# Altium PCB uTCA_MCH_PCB3.pcbdoc (part 18 of 25)
Units mil, origin at the board's own origin, x right, y up, seen from the top; angles counter-clockwise.
Board outline 7110.66 x 2894.12 mil, 12 copper layers (Top Layer, GND1, MidLayer1, PWR1, MidLayer2, GND2, PWR2, MidLayer3, GND3, MidLayer4, PWR3, Bottom Layer), stack 63.15 mil thick; 767 components, 905 nets, 4553 pads, 2832 vias.
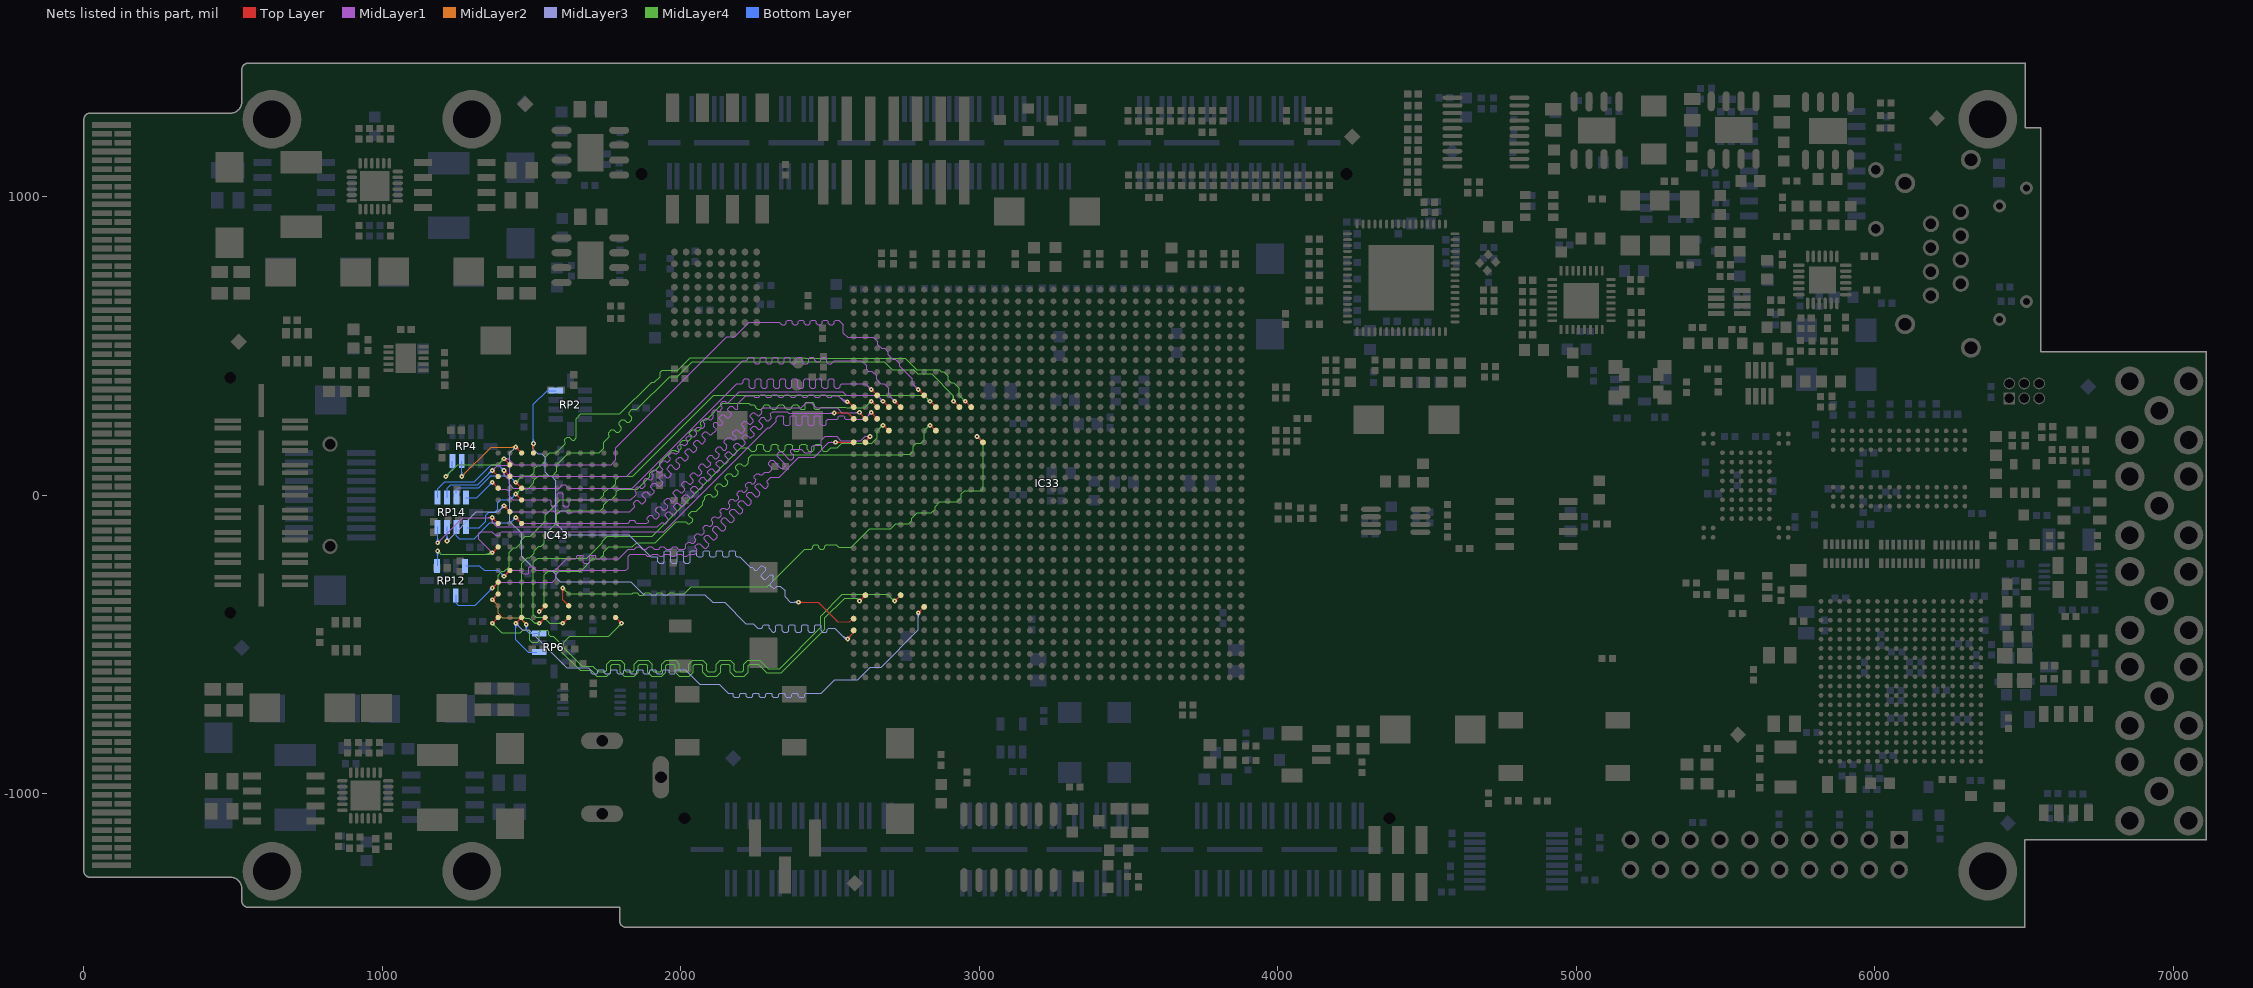
[diagram p28: the nets of this part, all layers, seen from the top]

## Via types
v1: diameter 15.75, hole 5.91, Top Layer to Bottom Layer, tented both sides, 2480 vias
v2: diameter 23.62, hole 11.81, Top Layer to Bottom Layer, tented both sides, 325 vias
v3: diameter 20, hole 10, Top Layer to Bottom Layer, tented both sides, 16 vias
v4: diameter 15.75, hole 7.87, Top Layer to Bottom Layer, tented both sides, 9 vias
v5: diameter 23.62, hole 11.81, Top Layer to Bottom Layer, 1 vias
v6: diameter 15.75, hole 5.91, Top Layer to Bottom Layer, 1 vias

## Nets (pads, with @x,y where several pads share a name; then routed paths per layer and width w, separated by ;. In a path a pad name is that pad's centre, name@x,y a point inside that pad or via, vN(x,y) a via of type N, cw(c..) or ccw(c..) an arc to the next point about the centre after c; other vN are vias at no path point) (continued)
Q2_A16: IC33.AP29 IC43.R8 RP2.10 | length 2248.1
  Top Layer w3.94: v1@1501.73,169.05 cw(c1491.65,158.97) 1505.91,158.97 cw(c1520.16,158.97) v1@1510.08,169.05 ; IC43.R8@1505.91,141.73 v1(1505.91,173.23) ; v1(2393.7,-358.27) 2460.63,-358.27 2525.59,-423.23 2564.96,-423.23 IC33.AP29@2576.77,-411.42 ; v1@2397.88,-362.44 cw(c2407.96,-372.52) 2407.96,-358.27 cw(c2407.96,-344.01) v1@2397.88,-354.09
  MidLayer3 w3.94: v1@1501.73,169.05 cw(c1491.65,158.97) 1505.91,158.97 cw(c1520.16,158.97) v1@1510.08,169.05 ; v1(1505.91,173.23) 1505.91,153.54 1519.68,139.76 1533.46,139.76 1545.28,127.95 1545.28,76.77 1559.06,62.99 1566.93,62.99 1580.71,49.21 1580.71,-94.49 1618.11,-131.89 1824.8,-131.89 1899.61,-206.69 1918.9,-206.69 1923.23,-211.02 1923.23,-223.54 1927.56,-227.87 1940.55,-227.87 1944.88,-223.54 1944.88,-189.84 1949.21,-185.51 1962.21,-185.51 1966.54,-189.84 1966.54,-223.54 1970.87,-227.87 1983.86,-227.87 1988.19,-223.54 1988.19,-189.84 1992.52,-185.51 2005.51,-185.51 2009.84,-189.84 2009.84,-223.54 2014.17,-227.87 2027.17,-227.87 2031.5,-223.54 2031.5,-189.84 2035.83,-185.51 2048.82,-185.51 2053.15,-189.84 2053.15,-202.36 2057.48,-206.69 2070.47,-206.69 2074.8,-202.36 2074.8,-189.84 2079.13,-185.51 2092.13,-185.51 2096.46,-189.84 2096.46,-202.36 2100.79,-206.69 2113.78,-206.69 2118.11,-202.36 2118.11,-189.84 2122.44,-185.51 2135.43,-185.51 2139.76,-189.84 2139.76,-202.36 2144.09,-206.69 2157.09,-206.69 2161.42,-202.36 2161.42,-189.84 2165.75,-185.51 2178.74,-185.51 2183.07,-189.84 2183.07,-202.36 2187.4,-206.69 2197.83,-206.69 2232.74,-241.6 2238.59,-241.6 2247.78,-250.79 2253.91,-250.79 2256.78,-247.92 2268.69,-236 2274.82,-236 2284,-245.19 2284,-251.31 2269.22,-266.1 2269.22,-272.22 2278.4,-281.41 2284.53,-281.41 2287.4,-278.54 2299.31,-266.62 2305.44,-266.62 2310.08,-271.27 2310.08,-286.48 2302.71,-293.85 2299.84,-296.72 2299.84,-302.85 2309.03,-312.03 2315.15,-312.03 2322.42,-304.76 2333.66,-304.76 2349.41,-320.51 2349.41,-340.55 2367.13,-358.27 v1(2393.7,-358.27) ; v1@2389.52,-362.44 ccw(c2379.44,-372.52) 2379.44,-358.27 ccw(c2379.44,-344.01) v1@2389.52,-354.09
  Bottom Layer w3.94: v1@1501.73,177.4 ccw(c1491.65,187.49) 1505.91,187.49 ccw(c1520.16,187.49) v1@1510.08,177.4 ; v1@1505.91,169.29 v1(1505.91,173.23) 1505.91,304.18 1552.12,350.39 RP2.10@1580.71,350.39
Q2_A17: IC33.AP30 IC43.R9 RP4.4 | length 2326.5
  Top Layer w3.94: v1@1446.85,155.51 cw(c1446.85,141.26) 1456.93,151.34 cw(c1467.01,161.42) v1@1452.76,161.42 ; v1(1446.85,161.42) IC43.R9@1466.54,141.73 ; v1@2558.94,-479.44 2578.74,-459.65 IC33.AP30@2578.74,-452.76 ; v1@2558.94,-475.39 ccw(c2558.94,-465.62) 2565.85,-472.53 ; v1@2560.91,-481.3 cw(c2570.15,-481.3) 2563.62,-474.77 ; v1@2564.85,-481.3 cw(c2583.59,-481.3) 2570.34,-468.05
  MidLayer2 w3.94: v1(1265.75,62.99) 1364.17,161.42 v1(1446.85,161.42) ; v1@1265.75,68.9 ccw(c1265.75,83.14) 1275.82,73.07 ; v1@1271.65,62.99 cw(c1285.92,62.99) 1275.83,73.08 ; v1@1442.67,157.24 ccw(c1432.59,147.16) 1432.59,161.42 ccw(c1432.59,175.68) v1@1442.67,165.6
  MidLayer3 w3.94: v1@1440.94,161.42 cw(c1426.69,161.42) 1436.77,151.34 cw(c1446.85,141.26) v1@1446.85,155.51 ; v1(1446.85,161.42) 1427.17,141.74 1427.17,-88.58 1466.54,-127.95 1466.54,-204.72 1513.78,-251.97 1567.8,-251.97 1582.68,-266.85 1582.68,-275.59 1596.46,-289.37 1832.68,-289.37 1875.98,-332.68 2079.72,-332.68 2106.3,-359.25 2146.65,-359.25 2217.52,-430.12 2243.11,-430.12 2257.87,-444.88 2270.28,-444.88 2274.61,-440.55 2274.61,-437.4 2278.94,-433.07 2291.93,-433.07 2296.26,-437.4 2296.26,-446.22 2308.23,-458.19 2313.58,-458.19 2317.91,-453.86 2317.91,-437.4 2322.24,-433.07 2335.24,-433.07 2339.57,-437.4 2339.57,-453.86 2343.9,-458.19 2356.89,-458.19 2361.22,-453.86 2361.22,-437.4 2365.55,-433.07 2378.54,-433.07 2382.87,-437.4 2382.87,-453.86 2387.2,-458.19 2400.2,-458.19 2404.53,-453.86 2404.53,-437.4 2408.86,-433.07 2421.85,-433.07 2426.18,-437.4 2426.18,-453.86 2430.51,-458.19 2443.5,-458.19 2447.83,-453.86 2447.83,-437.4 2452.17,-433.07 2465.16,-433.07 2469.49,-437.4 2469.49,-453.86 2473.82,-458.19 2486.81,-458.19 2491.14,-453.86 2491.14,-449.21 2495.47,-444.88 2514.76,-444.88 2551.18,-481.3 v1(2558.94,-481.3) v1@2559.06,-481.3 ; 2535.61,-465.73 ccw(c2558.94,-442.39) v1@2558.94,-475.39 ; 2542.33,-472.45 ccw(c2558.94,-455.84) v1@2558.94,-479.33 ; 2549.05,-479.17 ccw(c2558.94,-469.28) v1@2558.94,-483.27
  Bottom Layer w3.94: v1@1261.57,67.17 ccw(c1251.49,77.25) 1265.75,77.25 ccw(c1280,77.25) v1@1269.92,67.17 ; v1(1265.75,62.99) RP4.4@1265.75,114.17
Q2_A18: IC33.AH28 IC43.A9 RP6.3 | length 2157.4
  Top Layer w3.94: v1(1446.85,-429.13) IC43.A9@1466.54,-409.45 ; v1@1446.85,-423.23 ccw(c1446.85,-408.97) 1456.93,-419.05 ccw(c1467.01,-429.13) v1@1452.76,-429.13 ; v1(2795.27,-393.7) IC33.AH28@2814.96,-374.02 ; v1@2795.27,-387.8 ccw(c2795.27,-373.54) 2805.36,-383.62 ccw(c2815.44,-393.7) v1@2801.18,-393.7
  MidLayer3 w3.94: v1@1446.85,-435.04 cw(c1446.85,-449.3) 1456.93,-439.22 cw(c1467.01,-429.13) v1@1452.76,-429.13 ; v1(1446.85,-429.13) 1468.11,-450.39 1490.75,-450.39 1618.11,-577.76 1690.17,-577.76 1700.4,-587.99 1700.4,-595.09 1703.65,-598.34 1718.81,-598.34 1722.06,-595.09 1722.06,-588.28 1725.3,-585.03 1740.46,-585.03 1743.71,-588.28 1743.71,-595.09 1746.96,-598.34 1762.11,-598.34 1765.36,-595.09 1765.36,-588.28 1768.61,-585.03 1783.77,-585.03 1787.02,-588.28 1787.02,-595.09 1790.26,-598.34 1805.42,-598.34 1808.67,-595.09 1808.67,-588.28 1811.92,-585.03 1827.07,-585.03 1830.32,-588.28 1830.32,-595.09 1833.57,-598.34 1848.73,-598.34 1851.98,-595.09 1851.98,-588.28 1855.22,-585.03 1870.38,-585.03 1873.63,-588.28 1873.63,-595.09 1876.88,-598.34 1892.04,-598.34 1895.28,-595.09 1895.28,-588.28 1898.53,-585.03 1913.69,-585.03 1916.94,-588.28 1916.94,-595.09 1920.18,-598.34 1935.34,-598.34 1938.59,-595.09 1938.59,-588.28 1941.84,-585.03 1957,-585.03 1960.24,-588.28 1960.24,-595.09 1963.49,-598.34 1978.65,-598.34 1981.9,-595.09 1981.9,-588.28 1985.15,-585.03 2015.15,-585.03 2062.99,-632.87 2128.94,-632.87 2159.45,-663.39 2172.93,-663.39 2176.18,-666.63 2176.18,-673.44 2179.43,-676.69 2194.59,-676.69 2197.84,-673.44 2197.84,-666.63 2201.08,-663.39 2216.24,-663.39 2219.49,-666.63 2219.49,-673.44 2222.74,-676.69 2237.89,-676.69 2241.14,-673.44 2241.14,-666.63 2244.39,-663.39 2259.55,-663.39 2262.8,-666.63 2262.8,-673.44 2266.04,-676.69 2281.2,-676.69 2284.45,-673.44 2284.45,-666.63 2287.7,-663.39 2302.85,-663.39 2306.1,-666.63 2306.1,-673.44 2309.35,-676.69 2324.51,-676.69 2327.76,-673.44 2327.76,-666.63 2331,-663.39 2346.16,-663.39 2349.41,-666.63 2349.41,-673.44 2352.66,-676.69 2367.82,-676.69 2371.06,-673.44 2371.06,-666.63 2374.31,-663.39 2389.47,-663.39 2392.72,-666.63 2392.72,-673.44 2395.96,-676.69 2411.12,-676.69 2414.37,-673.44 2414.37,-666.63 2417.62,-663.39 2470.47,-663.39 2515.75,-618.11 2591.18,-618.11 ; 2581.81,-618.03 2592.22,-618.03 2634.46,-575.79 2670.65,-575.79 2795.28,-451.17 2795.28,-427.17 ; v1@2791.1,-397.88 cw(c2781.02,-407.96) 2795.27,-407.96 cw(c2809.53,-407.96) v1@2799.45,-397.88 ; 2795.27,-427.16 v1(2795.27,-393.7)
  Bottom Layer w3.94: v1@1442.67,-433.31 cw(c1432.59,-443.39) 1446.85,-443.39 cw(c1461.11,-443.39) v1@1451.03,-433.31 ; v1(1446.85,-429.13) 1446.85,-483.86 1488.19,-525.2 RP6.3@1517.32,-525.2
Q2_BWS0: IC33.AG13 IC43.B7 | length 1998
  Top Layer w3.94: v1(1525.59,-389.76) IC43.B7@1545.28,-370.08 ; v1@1525.59,-383.86 ccw(c1525.59,-369.6) 1535.67,-379.68 ccw(c1545.75,-389.76) v1@1531.5,-389.76 ; v1@2834.64,228.35 cw(c2834.64,209.32) IC33.AG13@2848.09,222.77 ; v1@2834.64,232.28 cw(c2834.64,222.76) 2841.37,229.49 ; v1@2834.65,236.22 2835.63,235.24 IC33.AG13@2854.33,216.54 ; v1@2840.55,234.25 ccw(c2850.04,234.25) 2843.33,227.54
  MidLayer4 w3.94: v1@1525.59,-391.73 1526.57,-390.75 1542.5,-374.82 1542.5,-266.56 1555.06,-254 1665,-254 1705.53,-213.47 1727.53,-213.47 1742,-199 1742,-188.81 1757.81,-173 1837.83,-173 1851.38,-159.45 1913.39,-159.45 1984.25,-88.58 2016.73,-88.58 2023.62,-95.47 2030.51,-95.47 2039.37,-86.61 2039.37,-80.92 2026.8,-68.35 2026.8,-63.76 2036.42,-54.13 2051.18,-54.13 2072.83,-32.48 2072.83,-21.65 2080.71,-13.78 ; v1@1525.59,-387.8 ccw(c1525.59,-378.29) 1532.31,-385.01 ; v1@1525.59,-383.86 ccw(c1525.59,-364.85) 1539.03,-378.29 ; v1@1531.5,-389.76 cw(c1541,-389.76) 1534.28,-383.04 ; 2080.62,-13.6 2080.62,-5.03 2089.19,3.53 2097.76,3.53 2101.83,-0.54 2105.89,-4.61 2114.46,-4.61 2123.03,3.96 2123.03,12.53 2118.96,16.59 2114.89,20.66 2114.89,29.23 2123.45,37.8 2132.02,37.8 2136.09,33.73 2140.16,29.66 2148.72,29.66 2157.29,38.22 2157.29,46.79 2153.22,50.86 2149.15,54.93 2149.15,63.49 2157.72,72.06 2166.28,72.06 2170.35,67.99 2174.42,63.92 2182.99,63.92 2191.55,72.49 2191.55,81.05 2187.49,85.12 2183.42,89.19 2183.42,97.76 2191.98,106.32 2200.55,106.32 2204.62,102.25 2208.69,98.19 2217.25,98.19 2225.82,106.75 2225.82,115.32 2225.82,123.46 2237.38,135.02 2743.29,135.02 2746.06,137.8 2767.72,137.8 2778.36,148.44 2778.36,164.49 2788.27,174.39 2804.31,174.39 2814.96,185.04 2814.96,216.54 2833.66,235.23 v1@2834.64,236.22 ; 2821.2,222.78 cw(c2834.64,209.34) v1@2834.64,228.35 ; 2825.95,227.53 ccw(c2819.22,234.25) v1@2828.73,234.25 ; 2827.92,229.5 cw(c2834.64,222.78) v1@2834.64,232.28
  other v1: 2834.64,234.25
Q2_BWS1: IC33.AM11 IC43.A7 | length 2011
  Top Layer w3.94: v1(1525.59,-429.13) IC43.A7@1545.28,-409.45 ; v1@1525.59,-423.23 ccw(c1525.59,-408.97) 1535.67,-419.05 ccw(c1545.75,-429.13) v1@1531.5,-429.13 ; v1@2637.8,309.06 cw(c2637.8,294.8) 2647.88,304.88 cw(c2657.96,314.96) v1@2643.7,314.96 ; v1(2637.8,314.96) IC33.AM11@2657.48,295.28
  MidLayer4 w3.94: 1503.13,-422.42 1509.84,-429.13 v1(1525.59,-429.13) ; 1503.13,-422.13 1492.42,-411.42 1478.35,-411.42 1466.54,-399.61 1466.54,-228.06 1484.77,-209.82 1493.22,-209.82 1508.68,-194.37 1508.68,-185.91 1524.14,-170.45 1532.59,-170.45 1542.5,-160.55 1542.5,-134.67 1584.65,-92.52 1584.65,-62.99 1595.3,-52.34 1729.45,-52.34 1742.13,-39.66 1742.13,-31.2 1759.55,-13.78 1768.01,-13.78 1784.27,2.48 1784.27,10.94 1794.18,20.85 1853.52,20.85 1895.08,62.4 1895.08,64.97 1895.08,73.53 1903.64,82.1 1912.21,82.1 1929.13,99.03 1929.13,108.27 1971.49,150.63 1980.74,150.63 1983.12,148.25 ; v1@1521.41,-433.31 ccw(c1511.33,-443.39) 1511.33,-429.13 ccw(c1511.33,-414.88) v1@1521.41,-424.96 ; 1983.31,148.06 1991.87,148.06 2000.44,156.63 2000.44,165.19 1997.94,167.69 ; 1997.87,167.76 1997.87,176.33 2006.43,184.89 2015,184.89 2017.5,182.39 ; 2017.57,182.32 2026.14,182.32 2034.7,190.89 2034.7,199.46 2027.82,206.34 2027.82,209.37 2037.57,219.12 ; 2037.61,219.12 2037.66,219.17 2049.25,219.17 2051.83,216.59 2060.4,216.59 2068.97,225.15 2068.97,233.72 ; 2068.95,233.74 2066.4,236.29 2066.4,244.85 2074.96,253.42 2083.53,253.42 2086.1,253.42 2140.67,307.99 2227.74,307.99 2232.66,303.07 ; 2232.74,303.15 2244.85,303.15 2250.91,297.09 2250.91,293.46 2256.97,287.4 2269.08,287.4 2275.14,293.46 2275.14,297.09 2281.19,303.15 2293.31,303.15 2299.37,297.09 2299.37,293.46 2305.42,287.4 2317.54,287.4 2323.59,293.46 2323.59,297.09 2329.65,303.15 2341.77,303.15 2347.82,297.09 2347.82,293.46 2353.88,287.4 2365.99,287.4 2372.05,293.46 2372.05,297.09 2378.11,303.15 2390.22,303.15 2396.28,297.09 2396.28,293.46 2402.34,287.4 2414.45,287.4 2416.8,289.75 2416.8,306.94 2420.74,310.88 2441.78,310.88 2447.19,305.47 2447.19,291 2450.79,287.4 2462.91,287.4 2470.78,295.28 2553.1,295.28 2555.24,293.13 2615.96,293.13 v1(2637.8,314.96) ; v1@2631.89,314.96 cw(c2617.64,314.96) 2627.72,304.88 cw(c2637.8,294.79) v1@2637.8,309.06
Q2_BWS2: IC33.AL13 IC43.A5 | length 1999.8
  Top Layer w3.94: v1(1604.33,-429.13) IC43.A5@1624.02,-409.45 ; v1@1604.33,-423.23 ccw(c1604.33,-408.97) 1614.41,-419.05 ccw(c1624.49,-429.13) v1@1610.24,-429.13 ; v1@2677.16,228.35 cw(c2677.16,209.32) IC33.AL13@2690.61,222.77 ; v1@2677.16,232.28 cw(c2677.16,222.76) 2683.89,229.49 ; v1@2677.17,236.22 2678.15,235.24 IC33.AL13@2696.85,216.54 ; v1@2683.07,234.25 ccw(c2692.56,234.25) 2685.85,227.54
  MidLayer4 w3.94: v1@1600.15,-433.31 ccw(c1590.07,-443.39) 1590.07,-429.13 ccw(c1590.07,-414.88) v1@1600.15,-424.96 ; v1(1604.33,-429.13) 1561.02,-429.13 1541.34,-409.45 1515.75,-409.45 1505.91,-399.61 1505.91,-224.41 1519.68,-210.63 1684.47,-210.63 1735.8,-159.3 1735.8,-154.76 1753.92,-136.64 1904.7,-136.64 2200.79,159.45 2223.49,159.45 2235.31,147.64 2247.42,147.64 2253.48,153.69 2253.48,165.2 2259.53,171.26 2271.65,171.26 2277.71,165.2 2277.71,153.69 2283.76,147.64 2295.88,147.64 2301.93,153.69 2301.93,165.2 2307.99,171.26 2320.1,171.26 2326.16,165.2 2326.16,153.69 2332.22,147.64 2344.33,147.64 2350.39,153.69 2350.39,165.2 2356.45,171.26 2368.56,171.26 2374.62,165.2 2374.62,153.69 2380.68,147.64 2392.79,147.64 2398.85,153.69 2398.85,165.2 2404.9,171.26 2417.02,171.26 2423.07,165.2 2423.07,153.69 2429.13,147.64 2441.25,147.64 2447.3,153.69 2447.3,165.2 2453.36,171.26 2465.47,171.26 2471.53,165.2 2471.53,153.69 2477.59,147.64 2489.7,147.64 2501.51,159.45 2523.91,159.45 2538.86,174.39 2639.25,174.39 2657.48,192.62 2657.48,216.54 2676.18,235.23 v1@2677.16,236.22 ; 2663.73,222.78 cw(c2677.16,209.35) v1@2677.16,228.35 ; 2668.47,227.52 ccw(c2661.74,234.25) v1@2671.25,234.25 ; 2670.45,229.5 cw(c2677.16,222.79) v1@2677.16,232.28
  other v1: 2677.16,234.25
Q2_BWS3: IC33.AC14 IC43.B5 | length 2058.6
  Top Layer w3.94: v1@1600.15,-315.2 cw(c1590.07,-325.28) 1604.33,-325.28 cw(c1618.59,-325.28) v1@1608.51,-315.2 ; v1(1604.33,-311.02) 1604.33,-350.39 IC43.B5@1624.02,-370.08 ; v1@2992.13,190.94 cw(c2992.13,176.68) 3002.21,186.77 cw(c3012.28,196.85) v1@2998.03,196.85 ; v1(2992.13,196.85) IC33.AC14@3011.81,177.17
  MidLayer4 w3.94: v1@1604.33,-316.93 cw(c1604.33,-331.19) 1614.41,-321.1 cw(c1624.49,-311.02) v1@1610.24,-311.02 ; v1(1604.33,-311.02) 1624.02,-330.71 1836.92,-330.71 1840.85,-326.77 1853.27,-326.77 1861.15,-334.65 1873.56,-334.65 1881.44,-326.77 1893.85,-326.77 1901.73,-334.65 1914.15,-334.65 1922.02,-326.77 1934.44,-326.77 1942.31,-334.65 1954.73,-334.65 1962.6,-326.77 1975.02,-326.77 1978.96,-330.71 2011.81,-330.71 2035.43,-307.09 2289.37,-307.09 2415.35,-181.1 2436.18,-181.1 2441.25,-176.03 2441.25,-170.43 2446.32,-165.35 2456.47,-165.35 2461.54,-170.43 2461.54,-176.03 2466.61,-181.1 2476.76,-181.1 2481.83,-176.03 2481.83,-170.43 2486.9,-165.35 2519.69,-165.35 2529,-174.67 2571,-174.67 2633.46,-112.2 2692.91,-112.2 ; 2655.07,-112.33 2702.58,-112.33 2719.26,-95.65 2762.91,-95.65 2772.81,-85.75 2772.81,-77.29 2791.05,-59.06 2838.87,-59.06 2851.55,-46.37 2851.55,-37.92 2867.01,-22.46 2914.84,-22.46 ; 2895.32,-22.52 2925.06,-22.52 2939.96,-7.62 2939.96,5.3 2950.33,15.67 3006.26,15.67 3012.3,21.71 3012.3,176.68 v1(2992.13,196.85) ; v1@2992.13,190.94 cw(c2992.13,176.69) 3002.21,186.77 cw(c3012.29,196.85) v1@2998.03,196.85
Q2_CQ_N: IC33.AK27 IC43.A1 | length 1992
  Top Layer w3.94: IC43.A1@1781.5,-409.45 v1(1801.18,-429.13) ; v1@1795.28,-429.13 ccw(c1781.02,-429.13) 1791.1,-419.05 ccw(c1801.18,-408.97) v1@1801.18,-423.23 ; v1(2716.53,-354.33) IC33.AK27@2736.22,-334.65 ; v1@2716.53,-348.43 ccw(c2716.53,-334.17) 2726.62,-344.25 ccw(c2736.7,-354.33) v1@2722.44,-354.33
  MidLayer4 w3.94: v1@1795.28,-429.13 cw(c1781.02,-429.13) 1791.1,-439.22 cw(c1801.18,-449.3) v1@1801.18,-435.04 ; v1(1801.18,-429.13) 1757.88,-472.44 1627.95,-472.44 1607.5,-492.9 1607.5,-511.04 1668.87,-572.41 1698.39,-572.41 1704.96,-572.41 1724.65,-592.09 1746.34,-592.09 1751.37,-587.06 1751.37,-566.08 1764.72,-552.72 1798.17,-552.72 1811.53,-566.08 1811.53,-587.06 1816.56,-592.09 1838.24,-592.09 1843.27,-587.06 1843.27,-566.08 1856.62,-552.72 1890.08,-552.72 1903.43,-566.08 1903.43,-587.06 1908.46,-592.09 1930.15,-592.09 1935.18,-587.06 1935.18,-566.08 1948.53,-552.72 1981.99,-552.72 1995.34,-566.08 1995.34,-587.06 2000.37,-592.09 2022.05,-592.09 2027.08,-587.06 2027.08,-566.08 2040.43,-552.72 2073.89,-552.72 2087.24,-566.08 2087.24,-587.06 2092.27,-592.09 2113.96,-592.09 2118.99,-587.06 2118.99,-566.08 2132.34,-552.72 2165.8,-552.72 2179.15,-566.08 2179.15,-587.06 2184.18,-592.09 2205.86,-592.09 2210.89,-587.06 2210.89,-566.08 2224.25,-552.72 2245.93,-552.72 2264.74,-552.72 2292.73,-580.71 2330.71,-580.71 2468.5,-442.91 2468.5,-405.11 2541.36,-332.25 2692.49,-332.25 v1@2714.57,-354.33 ; 2703.1,-342.86 ccw(c2716.53,-329.42) v1@2716.53,-348.43 ; 2707.84,-347.61 cw(c2701.12,-354.33) v1@2710.63,-354.33 ; 2709.82,-349.58 ccw(c2716.53,-342.87) v1@2716.53,-352.36
Q2_CQ_P: IC33.AN27 IC43.A11 | length 1993.7
  Top Layer w3.94: v1(1368.11,-429.13) IC43.A11@1387.8,-409.45 ; v1@1368.11,-423.23 ccw(c1368.11,-408.97) 1378.19,-419.05 ccw(c1388.27,-429.13) v1@1374.02,-429.13 ; v1(2598.43,-354.33) IC33.AN27@2618.11,-334.65 ; v1@2598.43,-348.43 ccw(c2598.43,-334.17) 2608.51,-344.25 ccw(c2618.59,-354.33) v1@2604.33,-354.33
  MidLayer4 w3.94: v1@1368.11,-435.04 cw(c1368.11,-449.3) 1378.19,-439.22 cw(c1388.27,-429.13) v1@1374.02,-429.13 ; v1(1368.11,-429.13) 1399.6,-460.63 1462.6,-460.63 1470.47,-452.76 1488.12,-452.76 1494.47,-459.11 1494.47,-485.78 1500.82,-492.13 1519.87,-492.13 1526.22,-485.78 1526.22,-459.11 1532.57,-452.76 1551.62,-452.76 1557.97,-459.11 1557.97,-467.42 1562.99,-472.44 1572.83,-472.44 1593.29,-492.9 1593.29,-516.92 1662.98,-586.61 1692.51,-586.61 1699.08,-586.61 1718.77,-606.3 1752.22,-606.3 1765.57,-592.95 1765.57,-571.96 1770.6,-566.93 1792.29,-566.93 1797.32,-571.96 1797.32,-592.95 1810.67,-606.3 1844.13,-606.3 1857.48,-592.95 1857.48,-571.96 1862.51,-566.93 1884.2,-566.93 1889.23,-571.96 1889.23,-592.95 1902.58,-606.3 1936.03,-606.3 1949.38,-592.95 1949.38,-571.96 1954.41,-566.93 1976.1,-566.93 1981.13,-571.96 1981.13,-592.95 1994.48,-606.3 2027.94,-606.3 2041.29,-592.95 2041.29,-571.96 2046.32,-566.93 2068.01,-566.93 2073.04,-571.96 2073.04,-592.95 2086.39,-606.3 2119.84,-606.3 2133.19,-592.95 2133.19,-571.96 2138.22,-566.93 2159.91,-566.93 2164.94,-571.96 2164.94,-592.95 2178.29,-606.3 2211.75,-606.3 2225.1,-592.95 2225.1,-571.96 2230.13,-566.93 2258.86,-566.93 2286.84,-594.91 2336.59,-594.91 2482.71,-448.8 2482.71,-410.99 2549.22,-344.48 2588.57,-344.48 v1(2598.43,-354.33) ; v1@2592.52,-354.23 ccw(c2579.05,-354.01) 2588.58,-344.48 ccw(c2598.1,-334.95) v1@2598.33,-348.43
Q2_D0: IC33.AH10 IC43.P10 RP4.5 | length 2347.2
  Top Layer w3.94: v1@1407.48,116.14 cw(c1407.48,101.88) 1417.56,111.97 cw(c1427.64,122.05) v1@1413.39,122.05 ; v1(1407.48,122.05) IC43.P10@1427.17,102.36 ; v1@2795.28,348.43 cw(c2795.28,334.17) 2805.36,344.25 cw(c2815.44,354.33) v1@2801.18,354.33 ; v1(2795.28,354.33) IC33.AH10@2814.96,334.65
  MidLayer1 w3.94: v1(1407.48,122.05) 1421.26,122.05 ; v1@1411.76,117.97 cw(c1421.26,108.92) 1421.26,122.05 ; v1@1411.76,126.12 ccw(c1421.26,135.17) 1421.26,122.05 ; 1778.72,115.04 1766.04,102.36 1440.94,102.36 1421.26,122.05 ; 1778.72,115.34 1781.5,118.11 1781.5,159.45 2153.54,531.5 2181.1,531.5 2228.35,578.74 2265.22,578.74 2329.85,578.74 2338.22,570.38 2348.24,570.38 2353.25,575.39 2353.25,582.1 2358.26,587.1 2368.28,587.1 2373.29,582.1 2373.29,575.39 2378.3,570.38 2388.32,570.38 2393.33,575.39 2393.33,582.1 2398.34,587.1 2408.36,587.1 2413.37,582.1 2413.37,575.39 2418.38,570.38 2428.4,570.38 2433.41,575.39 2433.41,582.1 2438.41,587.1 2448.43,587.1 2453.44,582.1 2453.44,575.39 2458.45,570.38 2468.47,570.38 2473.48,575.39 2473.48,582.1 2478.49,587.1 2488.51,587.1 2493.52,582.1 2493.52,575.39 2498.53,570.38 2508.55,570.38 2513.56,575.39 2513.56,582.1 2518.57,587.1 2528.59,587.1 2544.47,571.23 2544.47,543.33 2559.06,528.74 2645.28,528.74 2660.24,513.78 2660.24,504.33 2672.83,491.73 2683.07,491.73 2693.7,481.1 ; 2694.07,481.1 2694.07,470.99 2709.53,455.53 2717.99,455.53 2733.44,440.08 2733.44,431.91 2775.59,389.76 2775.59,374.02 v1(2795.28,354.33) ; v1@2789.37,354.33 ccw(c2775.11,354.33) 2785.19,364.41 ccw(c2795.28,374.49) v1@2795.28,360.24
  MidLayer4 w3.94: v1(1212.6,62.99) 1251.97,102.36 1387.8,102.36 v1(1407.48,122.05) ; v1@1212.6,68.9 ccw(c1212.6,83.15) 1222.68,73.07 ccw(c1232.76,62.99) v1@1218.5,62.99 ; v1@1401.57,122.05 cw(c1387.32,122.05) 1397.4,111.96 cw(c1407.48,101.89) v1@1407.48,116.14
  Bottom Layer w3.94: v1(1212.6,62.99) 1234.25,84.65 RP4.5@1234.25,114.17 ; v1@1212.6,68.9 ccw(c1212.6,83.15) 1222.68,73.07 ccw(c1232.76,62.99) v1@1218.5,62.99
Q2_D1: IC33.AK11 IC43.N11 RP14.3 | length 2214
  Top Layer w3.94: v1@1368.11,76.77 cw(c1368.11,62.51) 1378.19,72.6 cw(c1388.27,82.68) v1@1374.02,82.68 ; v1(1368.11,82.68) IC43.N11@1387.8,62.99 ; v1@2716.54,309.06 cw(c2716.54,294.8) 2726.62,304.88 cw(c2736.7,314.96) v1@2722.44,314.96 ; v1(2716.54,314.96) IC33.AK11@2736.22,295.28
  MidLayer1 w3.94: v1(1368.11,82.68) 1385.83,100.39 1417.32,100.39 1427.17,90.55 1427.17,74.8 1438.98,62.99 1818.9,62.99 2206.69,450.79 2219.64,450.79 2224.71,455.86 ; v1@1368.11,88.58 ccw(c1368.11,102.84) 1378.19,92.76 ccw(c1388.27,82.68) v1@1374.02,82.68 ; 2224.71,457.53 2229.79,462.6 2239.93,462.6 2245,457.53 2245,445.42 2250.08,440.35 2260.22,440.35 2265.3,445.42 2265.3,457.53 2270.37,462.6 2280.51,462.6 2285.59,457.53 2285.59,445.42 2290.66,440.35 2300.8,440.35 2305.88,445.42 2305.88,457.53 2310.95,462.6 2321.1,462.6 2326.17,457.53 2326.17,445.42 2331.24,440.35 2341.39,440.35 2346.46,445.42 2346.46,457.53 2351.53,462.6 2361.68,462.6 2366.75,457.53 2366.75,445.42 2371.82,440.35 2381.97,440.35 2387.04,445.42 2387.04,457.53 2392.12,462.6 2402.26,462.6 2407.33,457.53 2407.33,445.42 2412.41,440.35 2422.55,440.35 2427.63,445.42 2427.63,457.53 2432.7,462.6 2442.84,462.6 2447.92,457.53 2447.92,451.89 2453.27,446.54 2463.39,446.54 2468.21,451.36 2468.21,457.53 2473.28,462.6 2483.43,462.6 2488.5,457.53 2488.5,445.42 2493.57,440.35 2503.72,440.35 2508.79,445.42 ; 2508.79,445.71 2513.86,450.79 2604.62,450.79 2622.05,433.36 2622.05,421.65 2627.54,416.16 2639.25,416.16 2655.51,399.9 2655.51,387.8 2669.29,374.02 2681.39,374.02 2696.85,358.56 2696.85,334.65 v1(2716.54,314.96) ; v1@2710.63,314.96 ccw(c2696.37,314.96) 2706.45,325.04 ccw(c2716.54,335.12) v1@2716.54,320.87